# Altium PCB DD2088PoE_Daisy_Chain.PcbDoc (part 5 of 6)
Units mm, origin at the board's own origin, x right, y up, seen from the top; angles counter-clockwise.
Board outline 125 x 63 mm, 6 copper layers (Top Copper, Signal Layer 1, Signal Layer 2, Signal Layer 3, Signal Layer 4, Bottom Copper), stack 1.597 mm thick; 343 components, 263 nets, 1428 pads, 889 vias.
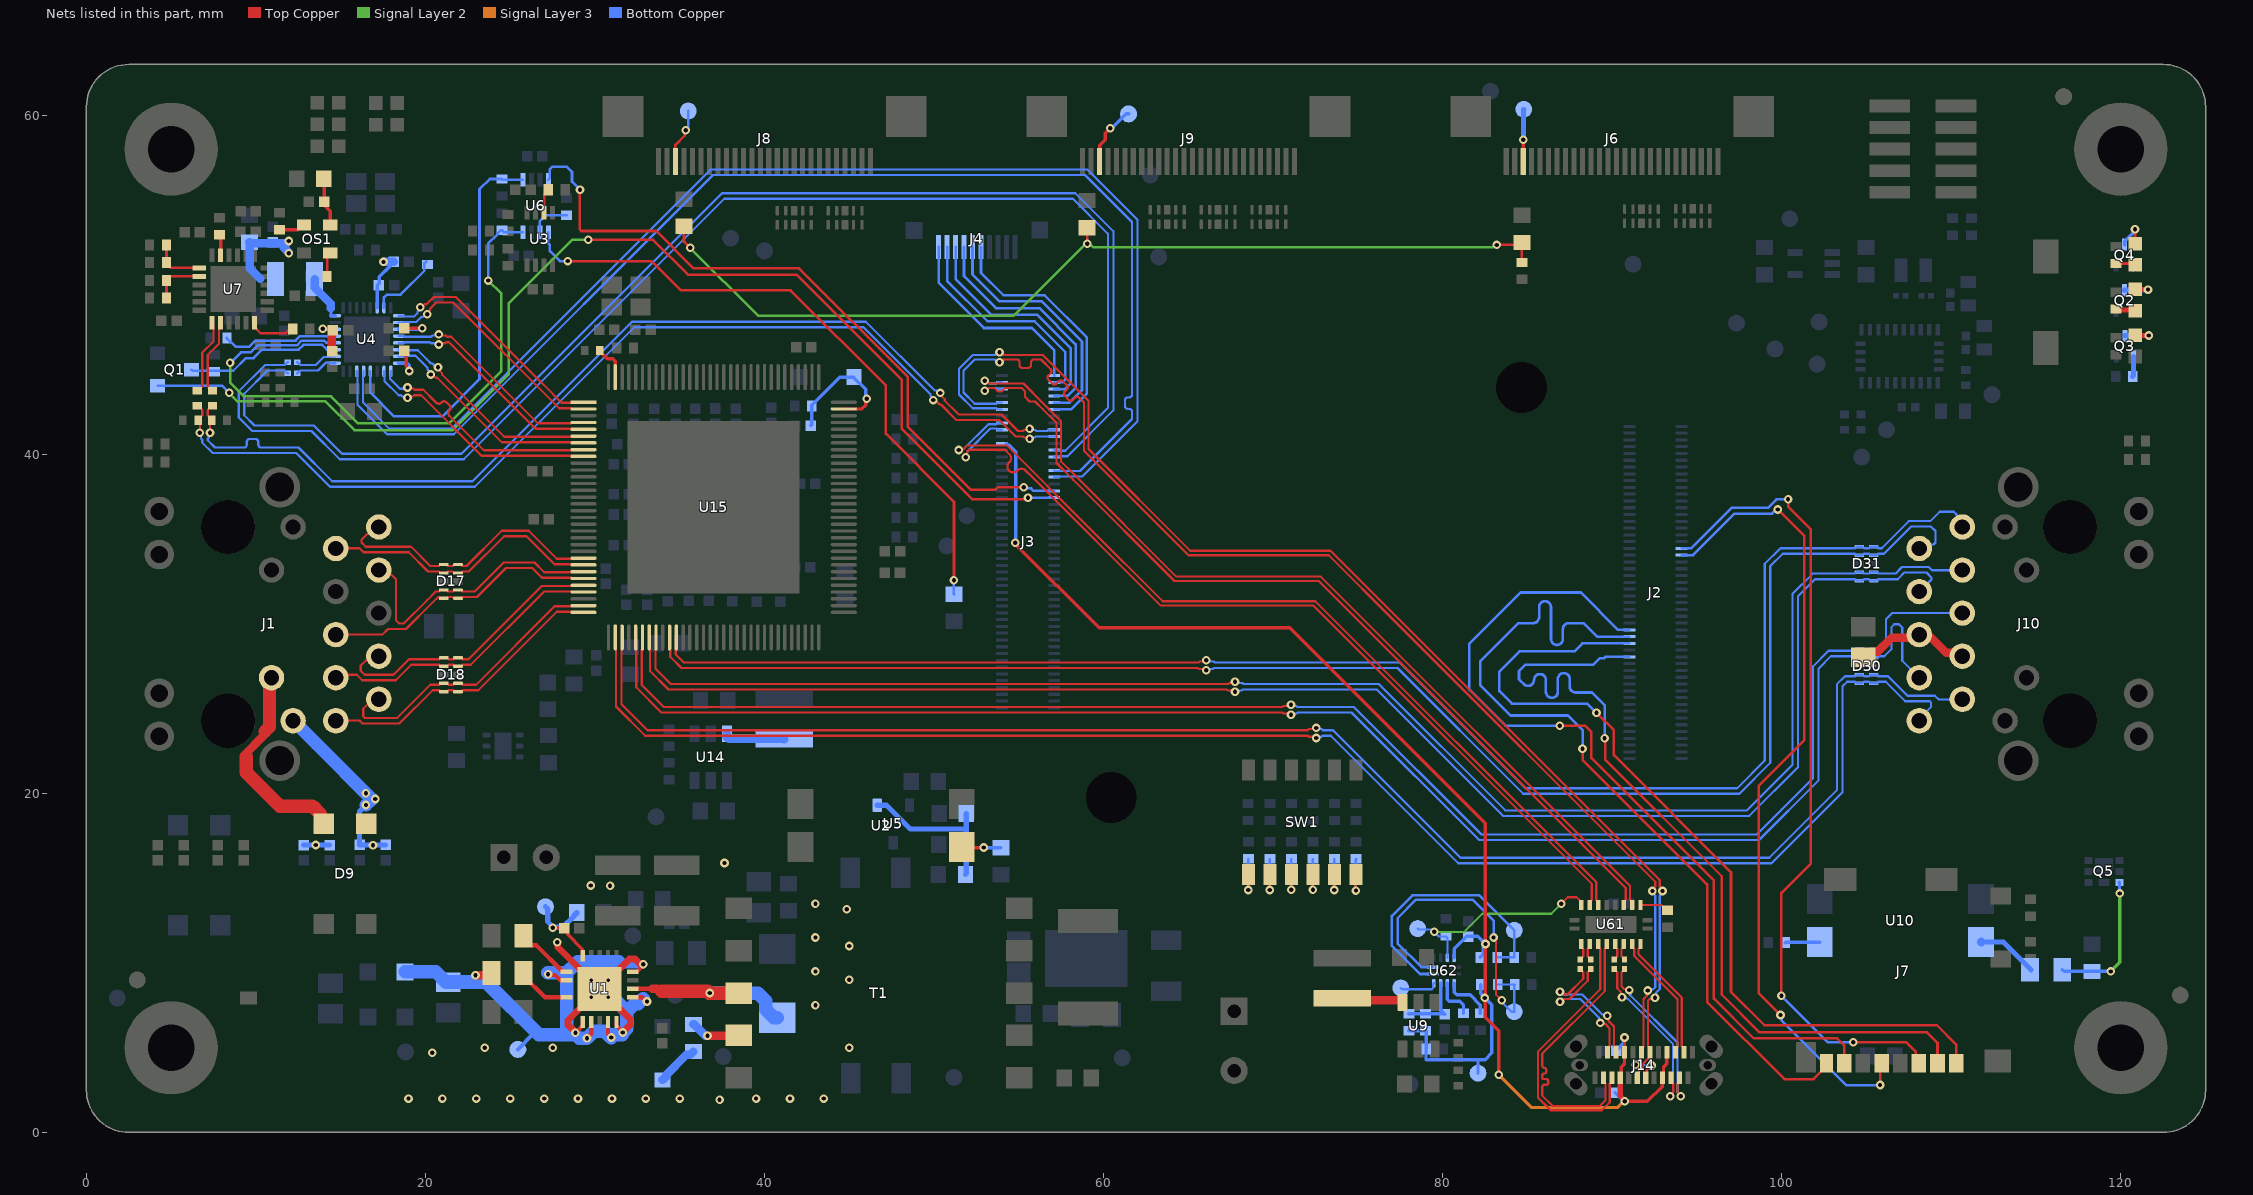
[diagram p9: the nets of this part, all layers, seen from the top]

## Via types
v1: diameter 0.508, hole 0.254, Top Copper to Bottom Copper, 871 vias
v2: diameter 0.406, hole 0.203, Top Copper to Bottom Copper, 8 vias
v3: diameter 0.508, hole 0.254, Top Copper to Bottom Copper, tented both sides, 8 vias
v4: diameter 0.6, hole 0.3, Top Copper to Bottom Copper, 2 vias

## Nets (pads, with @x,y where several pads share a name; then routed paths per layer and width w, separated by ;. In a path a pad name is that pad's centre, name@x,y a point inside that pad or via, vN(x,y) a via of type N, cw(c..) or ccw(c..) an arc to the next point about the centre after c; other vN are vias at no path point) (continued)
NetC112_2: C112.2 D29.2 R89.2 U15.95 | length 7.8
  Top Copper w0.2: U15.95@44.674,42.677 45.744,42.677 45.962,42.895 45.962,43.218 v1(46.021,43.277)
  Bottom Copper w0.2: C112.2@42.725,41.7 42.775,41.75 R89.2@42.775,42.85 42.775,42.9 44.425,44.55 D29.2@45.275,44.55 45.275,44.525 45.969,43.831 45.969,43.329 v1(46.021,43.277)
NetC113_2: C113.2 J10.4 J10.5 | length 6.9
  Top Copper w0.5: C113.2@104.8,28.029 105.125,28.354 105.654,28.354 106.494,29.194 107.939,29.194 J10.5@108.11,29.365 108.301,29.174 108.826,29.174 109.714,28.286 110.459,28.286 J10.4@110.65,28.095
NetD2_2: D2.2 R3.1 | length 2.6
  Bottom Copper w0.5: D2.2@33.975,3.1 34,3.1 34.2,3.3 34.2,3.398 35.377,4.575 35.6,4.575 R3.1@35.8,4.775
NetD3_1: D3.1 Q2.3 | length 2.2
  Top Copper w0.3: D3.1@120.85,49.725 121.597,49.725 v1(121.603,49.718)
  Bottom Copper w0.3: Q2.3@120.225,49.679 120.225,49.698 121.584,49.698 v1(121.603,49.718)
NetD6_1: D6.1 Q3.3 | length 2.2
  Top Copper w0.3: D6.1@120.85,47.019 120.854,47.015 121.636,47.015 v1(121.639,47.011)
  Bottom Copper w0.3: Q3.3@120.245,46.991 120.245,47.011 v1(121.639,47.011)
NetD7_1: D7.1 Q4.3 | length 2
  Top Copper w0.2: v1(120.837,53.268) 120.837,52.444 D7.1@120.85,52.431
  Bottom Copper w0.2: Q4.3@120.225,52.366 120.225,52.571 120.778,53.124 120.778,53.209 v1(120.837,53.268)
NetL3_1: L3.1 U9.3 | length 3.7
  Top Copper w0.5: L3.1@74.075,7.915 74.195,7.795 77.575,7.795 77.625,7.745 U9.3@77.625,7.675
NetL4_1: L4.1 U14.3 | length 3.6
  Bottom Copper w0.5: U14.3@37.778,23.518 37.778,23.318 37.885,23.21 41.146,23.21 L4.1@41.17,23.187
NetQ3_1: Q3.1 R54.1 | length 1.2
  Bottom Copper w0.3: R54.1@120.7,44.6 120.745,44.645 Q3.1@120.745,45.771
NetQ5_3: Q5.3 R51.2 R52.2 | length 8.4
  Signal Layer 2 w0.2: v1(119.4,9.5) 119.93,10.03 v1(119.93,14.1)
  Bottom Copper w0.2: R52.2@116.55,9.6 116.65,9.5 R51.2@118.3,9.5 v1(119.4,9.5) ; Q5.3@119.912,14.75 119.921,14.741 119.921,14.109 v1(119.93,14.1)
NetR2_1: R2.1 SW1.12 | length 2.8
  Top Copper w0.152: v1(74.881,14.267) 74.881,15.221 SW1.12@74.885,15.225
  Bottom Copper w0.152: v1(74.881,14.267) 74.881,16.121 R2.1@74.885,16.125
NetR3_2: R3.2 T1.2 | length 3
  Top Copper w0.508: v1(36.638,5.711) 38.459,5.711 T1.2@38.473,5.725
  Bottom Copper w0.508: R3.2@35.8,6.375 35.85,6.375 36.514,5.711 v1(36.638,5.711)
NetR6_1: R6.1 U3.6 | length 1.5
  Top Copper w0.152: U3.6@27,54.25 27,55.313 27.244,55.556 R6.1@27.244,55.606
NetR7_1: R7.1 SW1.10 | length 2.7
  Top Copper w0.152: v1(72.345,14.309) SW1.10@72.345,15.225
  Bottom Copper w0.152: R7.1@72.345,16.125 v1(72.345,14.309) v1@72.354,14.3
NetR9_1: R9.1 SW1.11 | length 2.8
  Top Copper w0.152: v1(73.609,14.3) 73.609,15.219 SW1.11@73.615,15.225
  Bottom Copper w0.152: v1(73.609,14.3) 73.615,14.306 R9.1@73.615,16.125
NetR14_1: R14.1 R15.2 R17.1 U5.1 | length 9.5
  Bottom Copper w0.3: U5.1@46.648,19.3 47.198,19.3 48.609,17.889 51.898,17.889 ; R14.1@51.848,15.225 51.898,15.275 51.898,16.975 51.898,17.889 ; R17.1@51.898,18.825 51.898,17.889
NetR16_1: R16.1 SW1.7 | length 2.8
  Top Copper w0.152: SW1.7@68.535,15.225 68.536,15.224 v1(68.536,14.301)
  Bottom Copper w0.152: R16.1@68.535,16.125 68.535,14.302 v1(68.536,14.301) v1(68.536,14.301)
NetR24_1: R24.1 U2.1 | length 2.3
  Top Copper w0.203: U2.1@51.635,16.83 51.659,16.806 v1(52.932,16.806)
  Bottom Copper w0.203: v1(52.932,16.806) 53.942,16.806 R24.1@53.948,16.8
NetR48_2: R48.2 U4.31 | length 4.2
  Bottom Copper w0.152: U4.31@17.55,48.65 17.55,49.257 17.718,49.425 18.525,49.425 19.929,50.829 R48.2@19.929,51.275 ; R48.2@19.944,51.267 R48.2@20.049,51.372
NetR50_1: R50.1 U6.6 | length 2.4
  Bottom Copper w0.152: U6.6@26.75,53.1 26.75,53.75 27.1,54.1 R50.1@28.325,54.1
NetR52_1: R52.1 U10.4 | length 3.6
  Bottom Copper w0.3: U10.4@111.76,11.23 113.07,11.23 R52.1@114.7,9.6
  Bottom Copper w0.5: U10.4@111.76,11.23 U10.4@111.78,11.25
NetR57_1: R57.1 U10.1 | length 2.1
  Bottom Copper w0.2: R57.1@100.2,11.2 100.23,11.23 U10.1@102.24,11.23
NetR60_1: R60.1 SW1.9 | length 2.7
  Top Copper w0.152: v1(71.075,14.311) SW1.9@71.075,15.225
  Bottom Copper w0.152: R60.1@71.075,16.125 v1(71.075,14.311) v1@71.086,14.3
NetR61_1: R61.1 SW1.8 | length 2.8
  Top Copper w0.152: v1(69.805,14.3) SW1.8@69.805,15.225
  Bottom Copper w0.152: v1(69.805,14.3) R61.1@69.805,16.125
NetR79_1: R79.1 R80.1 R81.1 R82.2 | length 56.3
  Top Copper w0.152: R80.1@35.25,53.45 35.25,52.55 v1(35.616,52.183) ; R81.1@59.007,53.369 59.031,53.345 v1(59.031,52.417) v1@59.117,52.417 ; v1(83.193,52.352) 84.527,52.352 R79.1@84.675,52.5 R82.2@84.675,51.32
  Signal Layer 2 w0.152: v1(35.616,52.183) 39.625,48.175 54.7,48.175 58.942,52.417 59.127,52.417 59.24,52.304 59.296,52.304 59.389,52.211 82.955,52.211 83.096,52.352 v1(83.193,52.352)
NetR87_1: R87.1 U15.127 | length 2.1
  Top Copper w0.206: R87.1@30.29,46.127 30.29,46.077 30.74,45.627 31.046,45.627 31.195,45.477 31.195,44.555 U15.127@31.198,44.552
NetR185_1: R185.1 U61.2 | length 1.7
  Top Copper w0.127: U61.2@91.675,13.425 92.875,13.425 93.2,13.1 R185.1@93.25,13.1
NetR186_1: R186.1 TP41.1 U61.9 U62.11 | length 13
  Top Copper w0.127: v1(87,13.5) 87.375,13.875 87.9,13.875 88.175,13.6 U61.9@88.175,13.425
  Signal Layer 2 w0.127: v1(79.507,11.834) 81.273,11.834 82.338,12.9 86.4,12.9 v1(87,13.5)
  Bottom Copper w0.127: TP41.1@78.525,12.025 78.574,11.976 79.365,11.976 v1(79.507,11.834) 79.784,11.557 80.193,11.557 80.274,11.476 U62.11@80.274,10.3
NetR213_1: R213.1 RZ28.1 TP44.1 U62.7 | length 16
  Bottom Copper w0.152: U62.7@79.424,9.35 78.666,9.35 77.005,11.012 77.005,12.776 78.212,13.983 82.167,13.983 TP44.1@84.225,11.925 RZ28.1@84.225,10.325 R213.1@83.225,10.325
NetR214_1: R214.1 RZ29.1 TP43.1 U62.8 | length 19.4
  Top Copper w0.127: v1(83.001,11.501) 83.001,11.399 83.154,11.246 83.154,8.121 v1(83.482,7.794)
  Bottom Copper w0.127: R214.1@83.25,8.725 RZ29.1@84.25,8.725 84.225,8.7 TP43.1@84.225,7.125 84.056,7.125 83.482,7.699 v1(83.482,7.794)
  Bottom Copper w0.15: U62.8@79.424,9.75 78.738,9.75 77.336,11.152 77.336,12.636 78.431,13.731 81.769,13.731 83.001,12.499 v1(83.001,11.501)
NetTP42_1: TP42.1 U62.6 | length 2.3
  Bottom Copper w0.127: TP42.1@77.525,8.525 77.6,8.45 79.364,8.45 79.438,8.524 79.438,8.764 U62.6@79.474,8.8
nRST_LED: D7.2 R56.1 | length 1.2
  Top Copper w0.2: R56.1@119.725,51.256 120.775,51.256 D7.2@120.85,51.181
OE_DIFF0: R35.2 U7.5 | length 1.2
  Top Copper w0.206: R35.2@7.85,52.95 7.917,52.883 U7.5@7.917,51.75
OE_DIFF1: R37.2 U7.18 | length 2.8
  Top Copper w0.152: U7.18@9.917,47.75 9.917,47.5 10.275,47.141 11.743,47.141 11.885,47.284 11.935,47.284 12.134,47.483 R37.2@12.134,47.533
OS_EN: OS1.1 R30.1 | length 1.6
  Top Copper w0.206: R30.1@11.379,53.25 12.458,53.25 12.733,53.525 OS1.1@12.833,53.525
OS_OUT: OS1.3 R64.2 | length 1.5
  Top Copper w0.15: R64.2@14.195,50.501 14.195,51.687 OS1.3@14.383,51.875
OS_VIN: C20.1 FB1.1 OS1.4 | length 2.6
  Top Copper w0.206: FB1.1@14.028,56.002 14.028,54.684 14.059,54.653 14.383,54.329 OS1.4@14.383,53.525
PCIE_1V0: C36.2 C37.2 C42.2 C43.2 C44.2 C45.2 C46.2 C47.2 L2.2 U4.3 U4.8 U4.22 U4.30 | length 15.8
  Top Copper w0.203: v1(13.932,47.407) 14.438,47.407 C44.2@14.538,47.306 ; C43.2@18.655,46.121 18.863,45.913 18.863,45.184 19.048,45 v1(19.048,44.917) v1@18.989,44.976 ; C42.2@18.739,47.448 18.757,47.43 v1(19.804,47.43)
  Top Copper w0.5: C47.2@14.478,46.193 14.478,47.246 C44.2@14.538,47.306
  Bottom Copper w0.203: v1(13.932,47.407) 13.962,47.377 14.673,47.377 U4.22@14.675,47.375 ; U4.30@17.15,48.65 17.15,49.975 17.28,50.105 17.28,50.471 17.916,51.107 17.916,51.109 17.927,51.119 C46.2@17.929,51.119 ; U4.8@18.425,45.375 18.427,45.373 18.91,45.373 19.035,45.248 19.035,44.93 v1(19.048,44.917) ; U4.3@18.425,47.375 18.427,47.377 19.75,47.377 v1(19.804,47.43)
  Bottom Copper w0.5: C36.2@9.615,52.509 9.63,52.509 9.63,50.987 10.267,50.35 ; C36.2@9.83,52.438 10.897,52.438 10.921,52.461 11.307,52.461 11.33,52.438 v1@11.806,52.438 ; 11.603,52.235 v1@11.933,51.905 ; v1(17.525,51.35) C46.2@18.125,51.35
  other v1: 11.944,51.861 11.944,52.582
PCIe_CLKREQ_N_1V8: J3.65 U6.4 | length 42
  Top Copper w0.152: v1(29.117,55.608) 29.1,55.591 29.1,53.264 29.189,53.175 33.615,53.175 35.817,50.973 42.041,50.973 48.455,44.559 48.455,41.62 52.175,37.9 53.603,37.9 53.764,38.061 v1(55.288,38.061)
  Bottom Copper w0.152: U6.4@27.25,56.2 27.324,56.274 27.324,56.799 27.5,56.975 28.325,56.975 28.641,56.659 28.641,56.083 v1(29.117,55.608) ; v1(55.288,38.061) 55.356,37.993 55.717,37.993 55.846,37.864 57.076,37.864 J3.65@57.09,37.85
PCIe_CLKREQ_N_3V3: R46.2 U4.12 U6.1 | length 23.2
  Bottom Copper w0.152: U4.12@16.75,44.9 16.75,43.637 18.143,42.244 20.994,42.244 23.188,44.438 23.188,55.637 23.793,56.242 R46.2@24.51,56.242 24.552,56.2 U6.1@25.75,56.2
PCIe_ISOLATE_N_1V8: R27.2 U6.5 | length 38.2
  Top Copper w0.152: v1(28.4,51.4) 33.334,51.4 35.059,49.675 41.542,49.675 47.151,44.066 47.151,41.219 51.175,37.195 51.175,32.578 v1(51.171,32.575)
  Bottom Copper w0.152: U6.5@27.25,53.1 27.25,52.426 27.333,52.343 27.333,51.993 27.926,51.4 v1(28.4,51.4) ; v1(51.171,32.575) 51.171,31.754 R27.2@51.175,31.75
PCIe_ISOLATE_N_3V3: R49.2 U4.20 U6.8 | length 36.5
  Signal Layer 2 w0.152: v1(8.475,45.4) 8.475,44.229 9.29,43.414 14.436,43.414 16.018,41.832 21.393,41.832 24.475,44.914 24.475,49.475 v1(23.7,50.25)
  Bottom Copper w0.152: v1(8.475,45.4) 8.5,45.4 9.116,46.016 9.689,46.016 10.102,46.429 12.418,46.429 12.695,46.706 14.017,46.706 14.149,46.575 U4.20@14.675,46.575 ; v1(23.7,50.25) 23.7,52.425 24.251,52.976 24.251,53.026 24.45,53.225 R49.2@24.5,53.225 24.625,53.1 U6.8@25.75,53.1
PCIe_PERST_1V8: J3.63 Q1.1 | length 69.1
  Top Copper w0.152: v1(29.6,52.65) 33.42,52.65 35.471,50.598 41.886,50.598 48.081,44.404 48.081,41.519 52.24,37.36 55.272,37.36 55.277,37.365 55.471,37.365 v1(55.539,37.433)
  Signal Layer 2 w0.152: v1(8.425,43.625) 8.925,43.125 14.1,43.125 15.8,41.425 21.616,41.425 24.907,44.716 24.907,48.907 28.65,52.65 v1(29.6,52.65)
  Bottom Copper w0.152: Q1.1@4.2,44.05 8,44.05 v1(8.425,43.625) ; v1(55.539,37.433) 55.548,37.441 57.081,37.441 J3.63@57.09,37.45
PCIe_PERST_N_3V3: Q1.3 R28.2 U4.19 | length 9.2
  Bottom Copper w0.152: Q1.3@6.2,45 6.269,44.931 7.55,44.931 8.662,44.931 9.407,45.676 9.864,45.676 10.363,46.175 12.523,46.175 12.8,46.452 13.912,46.452 14.18,46.184 14.666,46.184 U4.19@14.675,46.175
PCIe_WAKE_N: R29.2 U4.21 | length 6.9
  Bottom Copper w0.152: R29.2@8.288,46.871 8.288,46.821 8.487,46.622 8.537,46.622 8.826,46.334 9.596,46.334 9.964,46.702 12.331,46.702 12.604,46.975 14.354,46.975 U4.21@14.675,46.975
PG_LED: D3.2 R53.1 | length 1.2
  Top Copper w0.3: R53.1@119.725,48.569 119.772,48.522 120.803,48.522 D3.2@120.85,48.475
RCL: R10.2 U1.9 | length 3.2
  Top Copper w0.254: R10.2@25.789,9.409 25.789,9.234 27.049,7.975 U1.9@28.323,7.975
RDET: R11.2 U1.6 | length 3.5
  Top Copper w0.254: R11.2@25.789,11.609 25.789,11.434 26.187,11.036 26.541,11.036 28.102,9.475 U1.6@28.323,9.475
REF_CLK_SS0: R38.2 R44.1 U7.7 | length 3.1
  Top Copper w0.15: R38.2@4.725,52.35 R44.1@4.725,51.308 4.725,51.258 4.983,51 U7.7@6.667,51
REF_CLK_SS1: R39.2 R45.1 U7.8 | length 3.1
  Top Copper w0.15: R39.2@4.725,49.225 R45.1@4.725,50.267 4.725,50.3 4.925,50.5 U7.8@6.667,50.5
REGOUT: L2.1 U4.24 | length 2.8
  Bottom Copper w0.2: 14.343,48.539 14.425,48.457 14.425,48.175 U4.24@14.675,48.175
  Bottom Copper w0.5: L2.1@13.462,50.341 13.462,49.841 14.406,48.896 14.406,48.602
RXB_N: J14.B10 U61.18 | length 7.6
  Top Copper w0.13: U61.18@91.175,11.125 91.175,10.95 91.295,10.83 91.295,10.409 93.845,7.859 93.845,5.075 93.725,4.955 J14.B10@93.725,4.73
RXB_P: J14.B11 U61.19 | length 7.6
  Top Copper w0.13: U61.19@91.675,11.125 91.675,10.95 91.555,10.83 91.555,10.517 94.105,7.967 94.105,5.075 94.225,4.955 J14.B11@94.225,4.73
RXC_N: J14.A10 U61.14 | length 16.9
  Top Copper w0.13: U61.14@89.175,11.125 89.175,10.95 89.295,10.83 89.295,8.445 85.615,4.765 85.615,2.067 86.296,1.386 86.372,1.31 89.391,1.31 89.855,1.774 89.855,2.875 89.975,2.995 J14.A10@89.975,3.22
RXC_P: J14.A11 U61.15 | length 16.8
  Top Copper w0.13: J14.A11@89.475,3.22 89.475,2.995 89.595,2.875 89.595,1.882 89.283,1.57 86.48,1.57 85.875,2.175 85.875,2.291 85.875,2.686 cw(c86.005,2.686) 86.005,2.816 86.125,2.816 ccw(c86.125,2.915) 86.224,2.915 86.224,3.047 ccw(c86.125,3.047) 86.125,3.146 85.971,3.146 cw(c85.971,3.245) 85.872,3.245 85.872,3.377 cw(c85.971,3.377) 85.971,3.476 86.005,3.476 ccw(c86.005,3.575) 86.104,3.575 86.104,3.707 ccw(c86.005,3.707) 86.005,3.806 cw(c86.005,3.936) 85.875,3.936 85.875,4.346 85.875,4.657 89.555,8.337 89.555,10.83 89.675,10.95 U61.15@89.675,11.125
sd_hst0_clk: J2.61 J7.5 | length 48
  Top Copper w0.152: v1(99.768,36.744) 101.339,35.173 101.339,23.139 98.632,20.432 98.632,8.225 v1(99.926,6.932) ; v1(105.8,2.8) 105.8,4 J7.5@105.887,4.088
  Bottom Copper w0.152: J2.61@94.09,34.05 94.776,34.05 97.223,36.497 99.426,36.497 99.672,36.744 v1(99.768,36.744) ; v1(99.926,6.932) 99.988,6.869 99.988,6.616 103.824,2.78 105.78,2.78 v1(105.8,2.8)
sd_hst0_cmd: J2.63 J7.3 | length 48.1
  Top Copper w0.152: v1(99.979,8.056) 99.979,14.13 101.713,15.864 101.713,35.568 100.372,36.91 v1(100.372,37.347) ; v1(104.219,5.321) 107.353,5.321 107.897,4.777 107.897,4.278 J7.3@108.088,4.088
  Bottom Copper w0.152: J2.63@94.09,34.45 94.65,34.45 97.039,36.839 99.181,36.839 99.689,37.347 v1(100.372,37.347) ; v1(99.979,8.056) 102.715,5.321 v1(104.219,5.321)
sd_hst0_dat_0: J2.40 J7.7 | length 51.1
  Top Copper w0.152: v1(86.91,23.997) 88.403,23.997 88.775,23.625 88.775,22.075 96,14.85 96,7.9 98.342,5.558 103.267,5.558 103.675,5.15 103.675,4.1 J7.7@103.688,4.088
  Bottom Copper w0.152: v1(86.91,23.997) 83.696,23.997 81.572,26.121 81.572,28.828 84.594,31.85 88.154,31.85 90.354,29.65 J2.40@91.01,29.65
sd_hst0_dat_1: J2.38 J7.8 | length 51.3
  Top Copper w0.152: v1(88.25,22.625) 88.25,21.975 95.6,14.625 95.6,7.7 100.15,3.15 101.876,3.15 102.194,3.467 102.194,3.469 102.638,3.912 J7.8@102.638,4.088
  Bottom Copper w0.152: v1(88.25,22.625) 88.25,23.729 87.384,24.595 84,24.595 82.208,26.386 82.208,27.768 84.485,30.045 85.258,30.045 85.334,30.045 ccw(c85.334,30.396) 85.685,30.396 85.685,30.984 cw(c86.036,30.984) 86.036,31.335 cw(c86.036,30.984) 86.388,30.984 86.388,29.106 ccw(c86.739,29.106) 86.739,28.755 ccw(c86.739,29.106) 87.09,29.106 87.09,29.694 cw(c87.441,29.694) 87.441,30.045 87.967,30.045 88.312,30.045 89.107,29.25 J2.38@91.01,29.25
sd_hst0_dat_2: J2.36 J7.1 | length 51.2
  Top Copper w0.152: v1(89.075,24.75) 90.097,23.728 90.097,22.253 97.005,15.345 97.005,8.295 98.975,6.325 109.15,6.325 110.288,5.187 J7.1@110.288,4.088
  Bottom Copper w0.152: v1(89.075,24.75) 88.525,25.3 84.082,25.3 83.34,26.042 83.34,27.186 84.531,28.376 87.767,28.376 88.24,28.85 J2.36@91.01,28.85
sd_hst0_dat_3: J2.32 J7.2 | length 51.4
  Top Copper w0.152: v1(89.55,23.25) 89.579,23.221 89.579,21.994 96.46,15.113 96.46,8.14 98.692,5.908 108.567,5.908 109.188,5.287 J7.2@109.188,4.088
  Bottom Copper w0.152: v1(89.55,23.25) 89.55,25.209 88.809,25.95 88.622,25.95 87.844,25.95 cw(c87.844,26.301) 87.493,26.301 87.493,26.747 ccw(c87.142,26.747) 86.791,26.747 86.791,25.983 cw(c86.44,25.983) 86.089,25.983 86.089,26.691 ccw(c85.738,26.691) 85.387,26.691 cw(c85.036,26.691) 84.788,26.443 84.6,26.631 84.5,26.731 84.5,27.222 84.872,27.594 88.885,27.594 89.257,27.966 89.517,27.966 89.6,28.05 J2.32@91.01,28.05
SDS_IO_CLKI1_N: R36.2 U7.13 | length 4.5
  Top Copper w0.13: R36.2@6.541,43.758 6.701,43.918 6.753,43.918 6.829,43.994 6.829,46.002 7.505,46.677 7.505,47.339 7.502,47.341 7.502,47.665 U7.13@7.417,47.75
SDS_IO_CLKI1_P: R34.2 U7.14 | length 4.5
  Top Copper w0.13: R34.2@7.441,43.758 7.281,43.918 7.23,43.918 7.154,43.994 7.154,45.867 7.829,46.543 7.829,47.339 7.832,47.341 7.832,47.665 U7.14@7.917,47.75
SDS_IO_CLKI_N: J3.81 R36.1 R41.2 | length 60.8
  Top Copper w0.13: R36.1@6.541,42.858 6.701,42.698 6.753,42.698 6.829,42.622 6.829,42.294 6.753,42.218 6.751,42.218 6.591,42.058 R41.2@6.591,42.008 6.591,41.958 6.693,41.857 v1(6.693,41.275) ; v1(49.949,43.199) 50.051,43.199 50.314,42.936 50.404,42.936 51.315,42.025 53.84,42.025 54.812,41.054 55.255,41.054 55.318,40.99 55.561,40.99 v1(55.633,40.918)
  Bottom Copper w0.13: v1(6.693,41.275) 6.765,41.203 6.765,40.928 6.829,40.864 6.829,40.691 7.445,40.075 12.378,40.075 14.368,38.085 22.903,38.085 32.318,47.5 45.841,47.5 49.793,43.547 49.793,43.457 49.949,43.301 v1(49.949,43.199) ; v1(55.633,40.918) 55.706,40.99 55.936,40.99 56,41.054 56.274,41.054 J3.81@57.24,41.054
SDS_IO_CLKI_P: J3.83 R34.1 R40.1 | length 60.9
  Top Copper w0.13: v1(7.29,41.275) 7.29,41.857 7.391,41.958 R40.1@7.391,42.008 7.391,42.058 7.231,42.218 7.23,42.218 7.154,42.294 7.154,42.622 7.23,42.698 7.281,42.698 R34.1@7.441,42.858 ; v1(50.371,43.621) 50.371,43.519 50.634,43.256 50.634,43.166 51.45,42.35 53.975,42.35 54.946,41.378 55.244,41.378 55.308,41.442 55.561,41.442 v1(55.633,41.514)
  Bottom Copper w0.13: v1(7.29,41.275) 7.218,41.203 7.218,40.995 7.154,40.931 7.154,40.826 7.58,40.4 7.84,40.4 9.29,40.4 ccw(c9.29,40.57) 9.46,40.57 9.46,40.735 cw(c9.63,40.735) 9.63,40.905 9.97,40.905 cw(c9.97,40.735) 10.14,40.735 10.14,40.57 ccw(c10.31,40.57) 10.31,40.4 11.055,40.4 12.512,40.4 14.502,38.41 22.769,38.41 32.183,47.825 45.975,47.825 50.027,43.773 50.117,43.773 50.269,43.621 v1(50.371,43.621) ; v1(55.633,41.514) 55.706,41.442 55.96,41.442 56.023,41.378 56.409,41.378 56.668,41.378 56.74,41.45 J3.83@57.09,41.45
SDS_RXD1_N: C51.2 U4.18 | length 2.5
  Bottom Copper w0.13: C51.2@12.436,45.435 12.456,45.435 12.622,45.268 13.526,45.268 13.995,45.737 14.368,45.737 14.406,45.775 U4.18@14.675,45.775
SDS_RXD1_P: C35.2 U4.17 | length 2.5
  Bottom Copper w0.13: C35.2@12.434,44.777 12.454,44.777 12.62,44.944 13.661,44.944 14.13,45.413 14.368,45.413 14.406,45.375 U4.17@14.675,45.375
SDS_RXD_N: C51.1 J3.77 | length 79.2
  Bottom Copper w0.13: C51.1@11.876,45.435 11.856,45.435 11.689,45.268 10.543,45.268 8.988,43.713 8.988,42.17 9.783,41.375 13.272,41.375 14.941,39.705 22.261,39.705 37.631,55.075 58.194,55.075 60.251,53.018 60.251,42.731 57.732,40.212 57.438,40.212 57.425,40.225 57.115,40.225 J3.77@57.09,40.25
SDS_RXD_P: C35.1 J3.75 | length 79.2
  Bottom Copper w0.13: C35.1@11.874,44.777 11.854,44.777 11.688,44.944 10.678,44.944 9.313,43.578 9.313,42.305 9.918,41.7 13.406,41.7 15.076,40.03 22.127,40.03 37.497,55.4 58.329,55.4 60.576,53.153 60.576,42.596 57.867,39.888 57.438,39.888 57.425,39.875 57.115,39.875 J3.75@57.09,39.85
SDS_TXD_N: J3.71 U4.14 | length 73.9
  Bottom Copper w0.13: U4.14@15.95,44.9 15.95,44.631 15.988,44.593 15.988,42.929 17.729,41.188 21.667,41.188 36.955,56.475 58.9,56.475 61.675,53.7 61.675,44.566 61.675,43.529 cw(c61.505,43.529) 61.505,43.359 61.43,43.359 ccw(c61.43,43.189) 61.26,43.189 61.26,42.849 ccw(c61.43,42.849) 61.43,42.679 61.505,42.679 cw(c61.505,42.509) 61.675,42.509 61.675,42.444 61.675,42.086 58.601,39.012 57.438,39.012 57.425,39.025 57.115,39.025 J3.71@57.09,39.05